# Altium PCB graviton.PcbDoc (part 9 of 15) (continued)
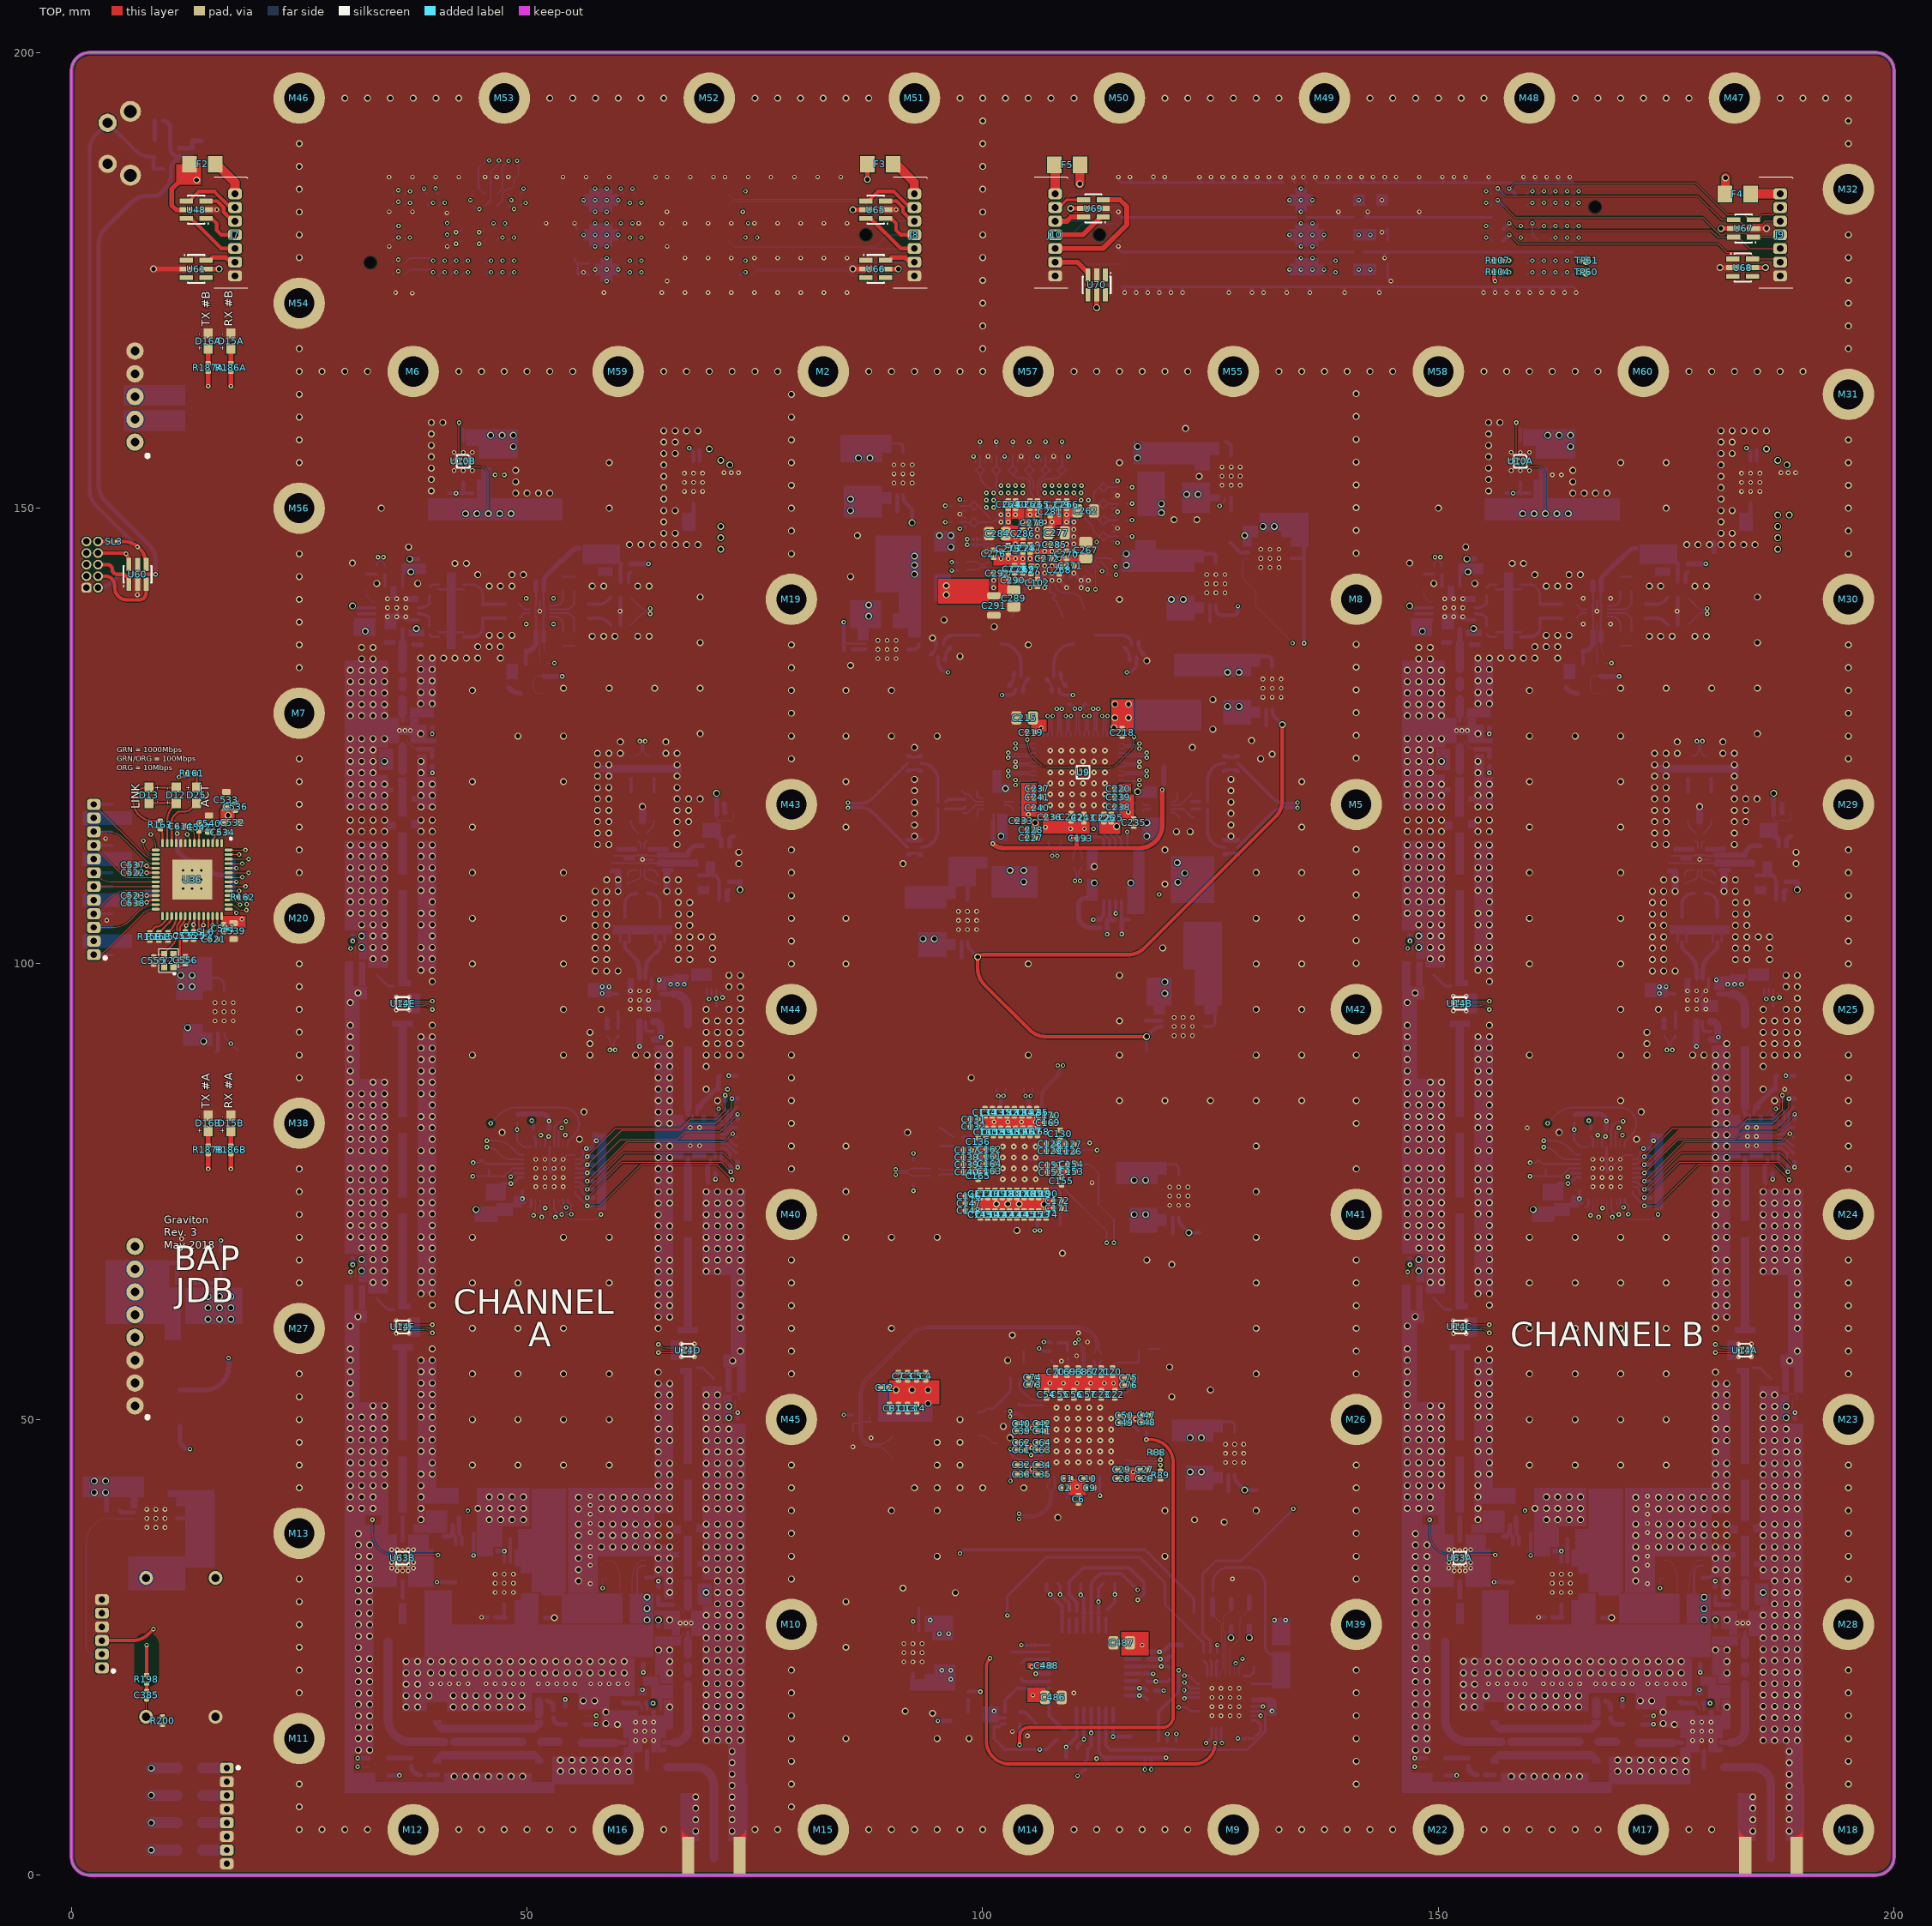
[diagram p0: TOP view]
## Nets (pads, with @x,y where several pads share a name; then routed paths per layer and width w, separated by ;. In a path a pad name is that pad's centre, name@x,y a point inside that pad or via, vN(x,y) a via of type N, cw(c..) or ccw(c..) an arc to the next point about the centre after c; other vN are vias at no path point) (continued)
57.485,107.971 58.735,107.971 66.595,107.971 173.485,107.971 174.735,107.971 182.595,107.971 30.6,108.05 31.85,108.05 33.1,108.05 34.35,108.05 38.35,108.05 39.6,108.05 146.6,108.05 147.85,108.05 149.1,108.05 150.35,108.05 154.35,108.05 155.6,108.05 120,108.75 58.735,109.221 66.595,109.221 174.735,109.221 182.595,109.221 30.6,109.3 31.85,109.3 33.1,109.3 34.35,109.3 38.35,109.3 39.6,109.3 146.6,109.3 147.85,109.3 149.1,109.3 150.35,109.3 154.35,109.3 155.6,109.3 25,110 44,110 54,110 79,110 130,110 135,110 160,110 170,110 195,110 140.976,110.062 30.6,110.55 31.85,110.55 33.1,110.55 34.35,110.55 38.35,110.55 39.6,110.55 146.6,110.55 147.85,110.55 149.1,110.55 150.35,110.55 154.35,110.55 155.6,110.55 112.25,110.675 73.25,111 91.25,111 189.25,111 30.6,111.8 31.85,111.8 33.1,111.8 34.35,111.8 38.35,111.8 39.6,111.8 146.6,111.8 147.85,111.8 149.1,111.8 150.35,111.8 154.35,111.8 155.6,111.8 73.25,112.25 189.25,112.25 25,112.5 79,112.5 120,112.5 195,112.5 140.976,112.562 30.6,113.05 31.85,113.05 33.1,113.05 34.35,113.05 38.35,113.05 39.6,113.05 146.6,113.05 147.85,113.05 149.1,113.05 150.35,113.05 154.35,113.05 155.6,113.05 57.725,113.1 58.975,113.1 66.475,113.1 173.725,113.1 174.975,113.1 182.475,113.1 92.5,114 127.25,114 57.725,114.35 58.975,114.35 66.475,114.35 173.725,114.35 174.975,114.35 182.475,114.35 121.25,114.5 122.75,114.5 30.6,114.528 31.85,114.528 33.1,114.528 34.35,114.528 38.35,114.528 39.6,114.528 146.6,114.528 147.85,114.528 149.1,114.528 150.35,114.528 154.35,114.528 155.6,114.528 25,115 44,115 85,115 135,115 160,115 170,115 92.5,115.25 127.25,115.25 57.725,115.6 58.975,115.6 66.475,115.6 67.725,115.6 173.725,115.6 174.975,115.6 182.475,115.6 183.725,115.6 30.6,115.778 31.85,115.778 33.1,115.778 34.35,115.778 38.35,115.778 39.6,115.778 146.6,115.778 147.85,115.778 149.1,115.778 150.35,115.778 154.35,115.778 155.6,115.778 92.5,116.5 127.25,116.5 57.725,116.85 58.975,116.85 66.475,116.85 67.725,116.85 173.725,116.85 174.975,116.85 182.475,116.85 183.725,116.85 30.6,117.222 31.85,117.222 33.1,117.222 34.35,117.222 38.35,117.222 39.6,117.222 146.6,117.222 147.85,117.222 149.1,117.222 150.35,117.222 154.35,117.222 155.6,117.222 25,117.5 92.5,117.75 127.25,117.75 57.725,118.1 58.975,118.1 66.475,118.1 67.725,118.1 68.975,118.1 173.725,118.1 174.975,118.1 182.475,118.1 183.725,118.1 184.975,118.1 30.6,118.472 31.85,118.472 33.1,118.472 34.35,118.472 38.35,118.472 39.6,118.472 146.6,118.472 147.85,118.472 149.1,118.472 150.35,118.472 154.35,118.472 155.6,118.472 92.5,119 127.25,119 57.725,119.35 58.975,119.35 66.475,119.35 173.725,119.35 174.975,119.35 182.475,119.35 30.6,119.722 31.85,119.722 33.1,119.722 34.35,119.722 38.35,119.722 39.6,119.722 146.6,119.722 147.85,119.722 149.1,119.722 150.35,119.722 154.35,119.722 155.6,119.722 25,120 44,120 54,120 85,120 135,120 160,120 170,120 92.5,120.25 127.25,120.25 57.725,120.6 58.975,120.6 66.475,120.6 173.725,120.6 174.975,120.6 182.475,120.6 30.6,120.972 31.85,120.972 33.1,120.972 38.35,120.972 146.6,120.972 147.85,120.972 149.1,120.972 154.35,120.972 57.725,121.85 58.975,121.85 66.475,121.85 173.725,121.85 174.975,121.85 182.475,121.85 30.6,122.222 31.85,122.222 33.1,122.222 38.35,122.222 146.6,122.222 147.85,122.222 149.1,122.222 154.35,122.222 25,122.5 79,122.5 130.5,122.5 195,122.5 140.976,122.562 131.75,123 57.725,123.1 58.975,123.1 60.225,123.1 65.225,123.1 66.475,123.1 173.725,123.1 174.975,123.1 176.225,123.1 181.225,123.1 182.475,123.1 30.6,123.472 31.85,123.472 33.1,123.472 146.6,123.472 147.85,123.472 149.1,123.472 92.5,123.75 123,123.75 60.225,124.35 65.225,124.35 176.225,124.35 181.225,124.35 129.5,124.5 30.6,124.722 31.85,124.722 33.1,124.722 34.35,124.722 146.6,124.722 147.85,124.722 149.1,124.722 150.35,124.722 49,125 54,125 79,125 85,125 90,125 95,125 160,125 165,125 170,125 195,125 140.976,125.062 38.34,125.25 69,125.25 154.34,125.25 185,125.25 125.25,125.75 30.6,127.222 31.85,127.222 33.1,127.222 34.35,127.222 146.6,127.222 147.85,127.222 149.1,127.222 150.35,127.222 79,127.5 195,127.5 140.976,127.562 30.6,128.472 31.85,128.472 33.1,128.472 34.35,128.472 146.6,128.472 147.85,128.472 149.1,128.472 150.35,128.472 38.34,128.55 39.59,128.55 154.34,128.55 155.59,128.55 125.25,129 30.6,129.722 31.85,129.722 33.1,129.722 34.35,129.722 146.6,129.722 147.85,129.722 149.1,129.722 150.35,129.722 38.34,129.8 39.59,129.8 154.34,129.8 155.59,129.8 44,130 79,130 85,130 90,130 160,130 195,130 140.976,130.062 54,130.25 59,130.25 64,130.25 69,130.25 170,130.25 175,130.25 180,130.25 185,130.25 30.6,130.972 31.85,130.972 33.1,130.972 34.35,130.972 146.6,130.972 147.85,130.972 149.1,130.972 150.35,130.972 38.34,131.05 39.59,131.05 154.34,131.05 155.59,131.05 30.6,132.222 31.85,132.222 33.1,132.222 34.35,132.222 146.6,132.222 147.85,132.222 149.1,132.222 150.35,132.222 38.34,132.3 39.59,132.3 154.34,132.3 155.59,132.3 25,132.5 79,132.5 195,132.5 140.976,132.562 85.5,132.75 118,133.25 31.85,133.472 33.1,133.472 147.85,133.472 149.1,133.472 38.34,133.55 39.59,133.55 40.84,133.55 42.09,133.55 43.34,133.55 44.59,133.55 47.09,133.55 154.34,133.55 155.59,133.55 156.84,133.55 158.09,133.55 159.34,133.55 160.59,133.55 163.09,133.55 97.5,133.75 31.85,134.722 33.1,134.722 147.85,134.722 149.1,134.722 44.59,134.8 45.84,134.8 47.09,134.8 160.59,134.8 161.84,134.8 163.09,134.8 25,135 79,135 105,135 195,135 140.976,135.062 69,135.25 185,135.25 94.5,135.75 57.15,135.95 58.4,135.95 59.65,135.95 62.15,135.95 63.4,135.95 173.15,135.95 174.4,135.95 175.65,135.95 178.15,135.95 179.4,135.95 45.84,136.05 47.09,136.05 48.34,136.05 161.84,136.05 163.09,136.05 164.34,136.05 101.25,137 25,137.5 95.75,137.75 25,140 115,140 69,140.25 185,140.25 45.84,141.45 47.09,141.45 48.34,141.45 57.15,141.45 58.4,141.45 62.15,141.45 63.4,141.45 161.84,141.45 163.09,141.45 164.34,141.45 173.15,141.45 174.4,141.45 178.15,141.45 179.4,141.45 33.5,141.75 38,141.75 149.5,141.75 154,141.75 25,142.5 85.5,142.5 44.59,142.7 48.34,142.7 49.59,142.7 160.59,142.7 164.34,142.7 165.59,142.7 42.09,143.95 43.34,143.95 158.09,143.95 159.34,143.95 30.845,143.975 146.845,143.975 25,145 79,145 195,145 140.976,145.062 37,145.75 153,145.75 61.25,146 62.5,146 63.75,146 65,146 66.25,146 67.5,146 68.75,146 177.25,146 178.5,146 179.75,146 181,146 182.25,146 183.5,146 184.75,146 86.25,147 65,147.25 66.25,147.25 181,147.25 182.25,147.25 79,147.5 195,147.5 140.976,147.562 65,148.5 181,148.5 121,148.75 123.5,148.75 65,149.75 66.25,149.75 181,149.75 182.25,149.75 34,150 59,150 79,150 150,150 175,150 195,150 140.976,150.062 65,151 181,151 48.75,151.65 50,151.65 51.25,151.65 52.5,151.65 164.75,151.65 166,151.65 167.25,151.65 168.5,151.65 39.5,151.9 155.5,151.9 65,152.25 181,152.25 79,152.5 195,152.5 140.976,152.562 48.75,152.9 164.75,152.9 39.5,153.15 155.5,153.15 65,153.5 123.75,153.5 181,153.5 48.75,154.15 164.75,154.15 39.5,154.4 155.5,154.4 65,154.75 181,154.75 25,155 59,155 79,155 115,155 170,155 175,155 195,155 140.976,155.062 39.5,155.65 155.5,155.65 65,156 66.25,156 181,156 182.25,156 39.5,156.9 155.5,156.9 65,157.25 66.25,157.25 181,157.25 182.25,157.25 25,157.5 79,157.5 195,157.5 140.976,157.562 39.5,158.15 155.5,158.15 65,158.5 66.25,158.5 67.5,158.5 68.75,158.5 181,158.5 182.25,158.5 183.5,158.5 184.75,158.5 186,158.5 122.25,158.75 39.5,159.4 40.75,159.4 155.5,159.4 156.75,159.4 25,160 79,160 140.976,160.062 25,162.5 79,162.5 140.976,162.562 25,165 27.5,165 30,165 32.5,165 42.5,165 45,165 47.5,165 50,165 52.5,165 55,165 65,165 67.5,165 70,165 72.5,165 75,165 77.5,165 87.5,165 90,165 92.5,165 95,165 97.5,165 100,165 110,165 112.5,165 115,165 117.5,165 120,165 122.5,165 132.5,165 135,165 137.5,165 140,165 142.5,165 145,165 155,165 157.5,165 160,165 162.5,165 165,165 167.5,165 177.5,165 180,165 182.5,165 185,165 187.5,165 190,165 25,167.5 100,167.5 195,167.5 100,170 195,170 100,172.5 195,172.5 100,175 195,175 25,177.5 100,177.5 195,177.5 25,180 100,180 195,180 25,182.5 100,182.5 25,185 100,185 25,187.5 100,187.5 25,190 100,190 195,190 100,192.5 195,192.5 30,195 32.5,195 35,195 37.5,195 40,195 42.5,195 52.5,195 55,195 57.5,195 60,195 62.5,195 65,195 75,195 77.5,195 80,195 82.5,195 85,195 87.5,195 97.5,195 100,195 102.5,195 105,195 107.5,195 110,195 120,195 122.5,195 125,195 127.5,195 130,195 132.5,195 142.5,195 145,195 147.5,195 150,195 152.5,195 155,195 165,195 167.5,195 170,195 172.5,195 175,195 177.5,195 187.5,195 190,195 192.5,195 195,195
  other v2: 61.9,14.788 62.9,14.788 63.9,14.788 177.9,14.788 178.9,14.788 179.9,14.788 104.9,15.3 61.9,15.788 62.9,15.788 63.9,15.788 177.9,15.788 178.9,15.788 179.9,15.788 61.9,16.788 62.9,16.788 63.9,16.788 177.9,16.788 178.9,16.788 179.9,16.788 110,20 39.5,21.005 40.5,21.005 41.5,21.005 42.5,21.005 43.5,21.005 45.5,21.005 46.5,21.005 47.5,21.005 48.5,21.005 49.5,21.005 51.25,21.005 52.25,21.005 53.25,21.005 54.25,21.005 55.25,21.005 57,21.005 58,21.005 59,21.005 60,21.005 61,21.005 155.5,21.005 156.5,21.005 157.5,21.005 158.5,21.005 159.5,21.005 161.5,21.005 162.5,21.005 163.5,21.005 164.5,21.005 165.5,21.005 167.25,21.005 168.25,21.005 169.25,21.005 170.25,21.005 171.25,21.005 173,21.005 174,21.005 175,21.005 176,21.005 177,21.005 66.81,27.65 67.41,27.65 68.01,27.65 182.81,27.65 183.41,27.65 184.01,27.65 56.945,32 172.945,32 127.4,32.5 35.745,33.4 36.345,33.4 36.945,33.4 151.745,33.4 152.345,33.4 152.945,33.4 35.145,33.7 37.545,33.7 151.145,33.7 153.545,33.7 35.745,34 36.345,34 36.945,34 56.945,34 151.745,34 152.345,34 152.945,34 172.945,34 35.145,34.3 37.545,34.3 151.145,34.3 153.545,34.3 35.545,34.8 37.145,34.8 151.545,34.8 153.145,34.8 56.945,35 172.945,35 36.345,35.6 152.345,35.6 35.155,35.7 35.745,35.7 36.945,35.7 37.545,35.7 151.155,35.7 151.745,35.7 152.945,35.7 153.545,35.7 56.945,36 172.945,36 56.945,37.6 172.945,37.6 56.945,38.6 172.945,38.6 56.945,39.6 172.945,39.6 56.945,40.6 172.945,40.6 56.945,41.6 172.945,41.6 85.75,47 87.75,48 108.625,56.4 66.95,56.898 68.35,56.898 182.95,56.898 184.35,56.898 110.3,57 66.95,58.298 68.35,58.298 182.95,58.298 184.35,58.298 111.5,58.5 151.657,59.428 153.057,59.428 35.65,59.452 37.05,59.452 110.5,59.5 35.65,60.852 37.05,60.852 151.65,60.852 153.05,60.852 112,76 67.91,80.05 68.91,80.05 183.91,80.05 184.91,80.05 183.91,81.05 184.91,81.05 159.75,82 67.91,82.05 68.91,82.05 183.91,82.05 184.91,82.05 188,86.25 151.65,94.852 153.05,94.852 35.65,94.952 37.05,94.952 61.34,95.04 62.34,95.04 63.34,95.04 177.34,95.04 178.34,95.04 179.34,95.04 61.34,96.04 63.34,96.04 177.34,96.04 179.34,96.04 35.65,96.352 37.05,96.352 151.65,96.452 153.05,96.452 61.34,97.04 62.34,97.04 177.34,97.04 178.34,97.04 12.25,108.25 13.25,108.25 14.25,108.25 12.25,109.25 13.25,109.25 14.25,109.25 12.25,110.25 13.25,110.25 14.25,110.25 35.99,125.6 36.59,125.6 37.19,125.6 151.99,125.6 152.59,125.6 153.19,125.6 165.9,137.3 168.9,137.3 34.69,138.075 35.69,138.075 36.69,138.075 150.69,138.075 151.69,138.075 152.69,138.075 60.205,138.7 176.205,138.7 34.69,139.075 36.69,139.075 150.69,139.075 152.69,139.075 34.69,140.075 35.69,140.075 36.69,140.075 150.69,140.075 151.69,140.075 152.69,140.075 165.9,140.1 168.9,140.1 162.5,153.65 163.5,153.65 71.6,153.9 72.4,153.9 73.2,153.9 187.6,153.9 188.4,153.9 189.2,153.9
  other v3: 103.25,15.75 3.875,104.775 3.75,113.75 37.4,173.6 35.578,173.65 58.438,173.65 64.788,173.65 67.328,173.65 69.868,173.65 72.408,173.65 74.948,173.65 77.488,173.65 80.028,173.65 82.568,173.65 85.108,173.65 65.372,174.92 67.328,177.46 69.868,177.46 72.408,177.46 74.948,177.46 77.488,177.46 80.028,177.46 82.568,177.46 85.108,177.46 34.892,178.73 41.242,178.73 65.372,178.73 52.088,181.27 62.248,181.27 64.788,181.27 67.328,181.27 69.868,181.27 72.408,181.27 74.948,181.27 77.488,181.27 80.028,181.27 82.568,181.27 85.108,181.27 41.2,182.4 34.892,182.54 37.432,182.54 65.353,182.534 143.81,183.81 134.1,186.3 34.857,186.335 37.432,186.35 39.972,186.35 42.512,186.35 45.395,186.35 46.665,186.35 47.935,186.35 53.942,186.35 56.482,186.35 59.022,186.35 64.102,186.35 65.372,186.35 67.912,186.35 70.452,186.35 71.722,186.35 74.262,186.35 76.757,186.335 79.342,186.35 81.882,186.35 84.422,186.35 135.207,186.334 136.482,186.334 137.757,186.334 139.032,186.334 144.107,186.334 118.731,186.359
  other v4: 91.343,23.409 92.343,23.409 93.343,23.409 91.343,24.409 92.343,24.409 93.343,24.409 91.343,25.409 92.343,25.409 93.343,25.409 46.493,31.034 47.493,31.034 48.493,31.034 162.493,31.034 163.493,31.034 164.493,31.034 46.493,32.034 47.493,32.034 48.493,32.034 162.493,32.034 163.493,32.034 164.493,32.034 46.493,33.034 47.493,33.034 48.493,33.034 162.493,33.034 163.493,33.034 164.493,33.034 8.266,38.143 9.266,38.143 10.266,38.143 8.266,39.143 9.266,39.143 10.266,39.143 8.266,40.143 9.266,40.143 10.266,40.143 126.643,45.281 127.643,45.281 128.643,45.281 126.643,46.281 127.643,46.281 128.643,46.281 126.643,47.281 127.643,47.281 128.643,47.281 120.507,73.516 121.507,73.516 122.507,73.516 120.507,74.516 121.507,74.516 122.507,74.516 120.507,75.516 121.507,75.516 122.507,75.516 121,92.125 122,92.125 123,92.125 121,93.125 122,93.125 123,93.125 15.75,93.75 16.75,93.75 17.75,93.75 121,94.125 122,94.125 123,94.125 15.75,94.75 16.75,94.75 17.75,94.75 15.75,95.75 16.75,95.75 17.75,95.75 97.332,103.766 98.332,103.766 99.332,103.766 97.332,104.766 98.332,104.766 99.332,104.766 97.332,105.766 98.332,105.766 99.332,105.766 130.75,129.25 131.75,129.25 132.75,129.25 130.75,130.25 131.75,130.25 132.75,130.25 130.75,131.25 131.75,131.25 132.75,131.25 88.5,133.5 89.5,133.5 90.5,133.5 88.5,134.5 89.5,134.5 90.5,134.5 88.5,135.5 89.5,135.5 90.5,135.5 124.582,140.716 125.582,140.716 126.582,140.716 124.582,141.716 125.582,141.716 126.582,141.716 124.582,142.716 125.582,142.716 126.582,142.716 130.516,143.493 131.516,143.493 132.516,143.493 130.516,144.493 131.516,144.493 132.516,144.493 130.516,145.493 131.516,145.493 132.516,145.493 67.268,151.834 68.268,151.834 69.268,151.834 183.268,151.834 184.268,151.834 185.268,151.834 126.257,152.516 127.257,152.516 128.257,152.516 90.257,152.766 91.257,152.766 92.257,152.766 67.268,152.834 68.268,152.834 69.268,152.834 183.268,152.834 184.268,152.834 185.268,152.834 126.257,153.516 127.257,153.516 128.257,153.516 90.257,153.766 91.257,153.766 92.257,153.766 67.268,153.834 68.268,153.834 69.268,153.834 183.268,153.834 184.268,153.834 185.268,153.834 41.993,154.134 42.993,154.134 43.993,154.134 157.993,154.134 158.993,154.134 159.993,154.134 126.257,154.516 127.257,154.516 128.257,154.516 90.257,154.766 91.257,154.766 92.257,154.766 41.993,155.134 43.993,155.134 157.993,155.134 159.993,155.134 41.993,156.134 42.993,156.134 43.993,156.134 157.993,156.134 158.993,156.134 159.993,156.134
  other v5: 108.1,45.3 109.3,45.3 110.5,45.3 111.7,45.3 112.9,45.3 114.1,45.3 108.1,46.5 109.3,46.5 110.5,46.5 111.7,46.5 112.9,46.5 114.1,46.5 108.1,47.7 109.3,47.7 110.5,47.7 111.7,47.7 112.9,47.7 114.1,47.7 108.1,48.9 109.3,48.9 110.5,48.9 111.7,48.9 112.9,48.9 114.1,48.9 108.1,50.1 109.3,50.1 110.5,50.1 111.7,50.1 112.9,50.1 114.1,50.1 108.1,51.3 109.3,51.3 110.5,51.3 111.7,51.3 112.9,51.3 102.2,76.346 103.4,76.346 104.6,76.346 105.8,76.346 102.2,77.546 103.4,77.546 104.6,77.546 105.8,77.546 102.2,78.746 103.4,78.746 104.6,78.746 105.8,78.746 102.2,79.946 103.4,79.946 104.6,79.946 105.8,79.946 107.4,117.4 108.6,117.4 109.8,117.4 111,117.4 112.2,117.4 113.4,117.4 107.4,118.6 108.6,118.6 109.8,118.6 111,118.6 112.2,118.6 113.4,118.6 107.4,119.8 108.6,119.8 109.8,119.8 111,119.8 112.2,119.8 113.4,119.8 107.4,121 108.6,121 109.8,121 112.2,121 113.4,121 107.4,122.2 108.6,122.2 109.8,122.2 111,122.2 112.2,122.2 113.4,122.2 107.4,123.4 108.6,123.4 109.8,123.4 111,123.4 112.2,123.4 113.4,123.4
  other v6: 125.14,17.5 126.14,17.5 127.14,17.5 128.14,17.5 125.14,18.5 126.14,18.5 127.14,18.5 128.14,18.5 125.14,19.5 126.14,19.5 127.14,19.5 128.14,19.5 125.14,20.5 126.14,20.5 127.14,20.5 128.14,20.5 50.96,75.55 51.96,75.55 52.96,75.55 53.96,75.55 166.96,75.55 167.96,75.55 168.96,75.55 169.96,75.55 50.96,76.55 51.96,76.55 52.96,76.55 53.96,76.55 166.96,76.55 167.96,76.55 168.96,76.55 169.96,76.55 50.96,77.55 51.96,77.55 53.96,77.55 166.96,77.55 167.96,77.55 169.96,77.55 50.96,78.55 51.96,78.55 52.96,78.55 166.96,78.55 167.96,78.55 168.96,78.55
I_PAA: U3A.5 U54A.29 | length 48.7
  S1 w0.1: v2(170.3,73.275) 170.225,73.275 170.2,73.25 cw(c170.2,71.695) 171.3,72.794 171.369,72.725 cw(c170.82,72.176) 171.597,72.176 cw(c170.924,72.176) 171.4,71.7 ccw(c172.849,70.251) 170.8,70.251 170.8,32.2 ccw(c171.5,32.2) 171.5,31.5 v2(174.3,31.5)
  BOT w0.1: v2(174.3,31.5) 174.3,32.5 174.425,32.625 174.7,32.625 cw(c174.725,32.625) U3A.5@174.725,32.65
  BOT w0.2: U54A.29@169.96,74.19 169.96,73.69 170.3,73.35 v2(170.3,73.275)
I_PAB: U3B.5 U54B.29 | length 48.7
  S1 w0.1: v2(54.3,73.275) 54.225,73.275 54.2,73.25 cw(c54.2,71.695) 55.3,72.794 55.369,72.725 cw(c54.82,72.176) 55.597,72.176 cw(c54.924,72.176) 55.4,71.7 ccw(c56.849,70.251) 54.8,70.251 54.8,32.2 ccw(c55.5,32.2) 55.5,31.5 v2(58.3,31.5)
  BOT w0.1: v2(58.3,31.5) 58.3,32.5 58.425,32.625 58.7,32.625 cw(c58.725,32.625) U3B.5@58.725,32.65
  BOT w0.2: U54B.29@53.96,74.19 53.96,73.69 54.3,73.35 v2(54.3,73.275)
IN-BA_N: FL1A.3 TP17A.C | length 64
  S2 w0.089: v3(134.55,117.686) ccw(c134.995,118.13) 134.995,117.502 135.502,117.502 ccw(c135.502,118.25) 136.25,118.25 136.25,123.835 cw(c138.993,123.835) 138.993,126.578 177.888,126.578 cw(c177.888,125.7) 178.767,125.7 178.767,125.12 ccw(c179.395,125.12) v2@178.951,124.675
  BOT w0.159: v2@178.789,124.438 v2@178.789,124.263 ; v2@178.951,124.425 ccw(c178.951,124.263) v2@178.789,124.263 ; FL1A.3@179.456,122.82 cw(c179.456,123.487) 178.789,123.487 v2@178.789,124.263
  BOT w0.356: TP17A.C@128,122 131.761,118.239 ccw(c133.25,119.728) 133.25,117.622 134.397,117.622 ccw(c134.397,117.839) v3(134.55,117.686)
  other v2: 178.963,124.425
IN-BA_P: FL2A.3 TP27A.C | length 63.8
  S2 w0.089: 136.458,118.25 136.458,123.835 cw(c138.998,123.835) 138.998,126.375 177.888,126.375 cw(c177.888,125.7) 178.563,125.7 178.563,125.12 cw(c177.935,125.12) v2@178.379,124.675
  S2 w0.098: v3(134.55,117.114) cw(c134.983,116.681) 134.983,117.294 135.502,117.294 ccw(c135.502,118.25) 136.458,118.25
  BOT w0.159: FL2A.3@177.874,122.82 ccw(c177.874,123.487) 178.541,123.487 v2@178.541,124.263 ; v2@178.541,124.438 v2@178.541,124.425 ; v2@178.541,124.263 ccw(c178.379,124.263) 178.379,124.425 v2@178.541,124.425 ; v2@178.541,124.263 v2@178.541,124.425
  BOT w0.356: TP27A.C@128,112.8 131.761,116.561 cw(c133.25,115.072) 133.25,117.178 134.397,117.178 cw(c134.397,116.961) v3(134.55,117.114)
  other v2: 178.367,124.425
IN-BB_N: FL1B.3 TP17B.C | length 45.7
  S2 w0.089: v2(62.963,124.425) cw(c63.439,124.9) 62.767,124.9 62.767,126.06 cw(c65.307,126.06) 65.307,128.6 79.46,128.6 cw(c79.46,126.06) 82,126.06 82,118.897 ccw(c83.6,118.897) 83.6,117.297 84.809,117.297 cw(c84.809,116.674) v3@85.25,117.114
  BOT w0.159: v2@62.789,124.438 v2@62.789,124.263 ; v2@62.951,124.425 ccw(c62.951,124.263) v2@62.789,124.263 ; FL1B.3@63.456,122.82 cw(c63.456,123.487) 62.789,123.487 v2@62.789,124.263
  BOT w0.356: v3(85.2,117.114) cw(c85.353,116.961) 85.353,117.178 86.5,117.178 cw(c86.5,115.072) 87.989,116.561 TP17B.C@91.75,112.8
IN-BB_P: FL2B.3 TP27B.C | length 46.2
  S2 w0.089: v2(62.367,124.425) ccw(c61.891,124.9) 62.563,124.9 62.563,126.06 cw(c65.307,126.06) 65.307,128.803 79.46,128.803 cw(c79.46,126.06) 82.203,126.06 82.203,118.897 ccw(c83.6,118.897) 83.6,117.5 84.802,117.5 ccw(c84.802,118.134) v3@85.25,117.686
  BOT w0.159: FL2B.3@61.874,122.82 ccw(c61.874,123.487) 62.541,123.487 v2@62.541,124.263 ; v2@62.541,124.438 v2@62.541,124.425 ; v2@62.541,124.263 ccw(c62.379,124.263) 62.379,124.425 v2@62.541,124.425 ; v2@62.541,124.263 v2@62.541,124.425
  BOT w0.356: v3(85.2,117.686) ccw(c85.353,117.839) 85.353,117.622 86.5,117.622 ccw(c86.5,119.728) 87.989,118.239 TP27B.C@91.75,122
IOUTB_28_N: R5.2 T3.3 U2.E14 | length 4.7
  BOT w0.178: T3.3@100.858,138.998 R5.2@101.348,140.212 ; R5.2@101.349,140.213 cw(c102.573,138.988) 102.573,140.72 103.07,140.72 ccw(c103.07,141.665) U2.E14@104.015,141.665
IOUTB_28_P: R2.2 T3.1 U2.F14 | length 4.7
  BOT w0.178: T3.1@103.213,138.047 R2.2@103.703,139.26 ; R2.2@103.704,139.261 104.008,139.92 ccw(c104.099,140.116) 104.189,140.312 cw(c104.28,140.508) 104.371,140.704 ccw(c104.461,140.9) 104.552,141.096 104.609,141.22 U2.F14@104.814,141.663
IOUTC_28_N: R34.2 T4.1 U2.K14 | length 4.7
  BOT w0.178: U2.K14@108,141.67 ccw(c108.945,141.67) 108.945,140.725 109.442,140.725 cw(c109.442,138.993) R34.2@110.666,140.218 T4.1@111.157,139.003
IOUTC_28_P: R33.2 T4.3 U2.J14 | length 4.7
  BOT w0.178: U2.J14@107.2,141.67 107.406,141.225 107.463,141.101 ccw(c107.554,140.905) 107.644,140.709 cw(c107.735,140.513) 107.826,140.317 ccw(c107.916,140.121) 108.007,139.925 R33.2@108.311,139.266 T4.3@108.802,138.052
LD_36: R48.2 U7.12 | length 2.6
  BOT w0.27: U7.12@107.385,75.396 108.104,75.396 108.5,75 R48.2@108.5,73.695
LED0_32: R163.1 U36.14 | length 1.6
  TOP w0.203: R163.1@9.75,114.805 cw(c9.146,114.201) 10,114.201 U36.14@10,113.25
LED1_32: D12.1 D13.2 U36.13 | length 7.7
  TOP w0.203: D13.2@8.525,117.65 9.25,117.65 D12.1@11.5,117.65 11.244,117.394 ccw(c13.04,115.598) 10.5,115.598 U36.13@10.5,113.25
LED2_32: D25.2 U36.12 | length 6.1
  TOP w0.203: U36.12@11,113.25 11,115.576 cw(c12.024,115.576) 11.3,116.3 11.559,116.559 cw(c11.9,116.217) 11.9,116.7 12.376,116.7 ccw(c12.376,117.724) 13.099,116.999 D25.2@13.75,117.65
LNA_DISA: R37A.2 R127A.1 U54A.20 | length 57.6
  S1 w0.1: v2(172.5,79.75) ccw(c172.5,79.35) 172.1,79.35 172.1,73.466 ccw(c173.466,73.466) 172.499,72.501 172.8,72.2 cw(c171.17,70.57) 172.801,72.199 cw(c171.17,70.57) 173.475,70.57 173.475,34.818 ccw(c176.015,34.818) 176.015,32.278 v2(180.4,32.278)
  BOT w0.1: R127A.1@180.4,31.595 R127A.1@180.55,31.445
  BOT w0.2: U54A.20@171.32,78.55 171.8,78.55 172.146,78.896 172.146,79.496 172.4,79.75 v2(172.5,79.75)
  BOT w0.508: v2(172.5,79.75) R37A.2@173.255,79.75
  BOT w0.51: R127A.1@180.4,31.595 v2(180.4,32.278)
LNA_DISB: R37B.2 R127C.1 U54B.20 | length 57.6
  S1 w0.1: 56.499,72.501 cw(c57.466,73.466) 56.1,73.466 56.1,79.35 cw(c56.5,79.35) v2(56.5,79.75) ; 56.5,72.5 56.8,72.2 cw(c55.17,70.57) 56.801,72.199 cw(c55.17,70.57) 57.475,70.57 57.475,34.818 ccw(c60.015,34.818) 60.015,32.278 v2(64.4,32.278)
  BOT w0.1: R127C.1@64.4,31.595 R127C.1@64.55,31.445
  BOT w0.2: U54B.20@55.32,78.55 55.8,78.55 56.146,78.896 56.146,79.496 56.4,79.75 v2(56.5,79.75)
  BOT w0.508: v2(56.5,79.75) R37B.2@57.255,79.75
  BOT w0.51: R127C.1@64.4,31.595 v2(64.4,32.278)
LO-CLK.C_34_N: C119.2 R52.1 R56.2 U1.41 | length 37.8
  S2 w0.098: v3(90.45,77.436) ccw(c90.883,77.869) 90.883,77.256 91.3,77.256 cw(c91.3,76.003) 92.186,76.889 93.388,75.687 ; 93.412,75.663 110.107,58.969 ccw(c110.54,59.402) v3(110.54,58.79)
  BOT w0.159: v3(90.45,77.436) 90.55,77.336 ccw(c90.7,77.486) 90.7,77.274 91.721,77.274 ccw(c91.721,77.318) 91.752,77.287 cw(c92.4,76.639) R52.1@92.4,77.555 R56.2@93.3,77.555 93.679,77.555 93.688,77.546 C119.2@94.27,77.546 ; v3(110.54,58.79) 110.54,58.752 ccw(c111.002,58.752) 110.675,58.425 cw(c109.35,57.1) 111.224,57.1 111.224,53.456 cw(c110.919,53.151) 111.35,53.151 U1.41@111.35,52.85
LO-CLK.C_34_P: C118.2 R51.1 R55.2 U1.40 | length 37.5
  S2 w0.098: v3(90.45,76.864) cw(c90.883,76.431) 90.883,77.044 91.3,77.044 cw(c91.3,76.003) 92.036,76.739 109.956,58.819 cw(c109.523,58.386) v3(110.136,58.386)
  BOT w0.159: v3(90.45,76.864) 90.55,76.964 cw(c90.7,76.814) 90.7,77.026 91.721,77.026 cw(c91.721,76.982) 91.752,77.013 ccw(c92.4,77.661) R51.1@92.4,76.745 R55.2@93.3,76.745 93.679,76.745 93.68,76.746 C118.2@94.27,76.746 ; v3(110.136,58.386) 110.173,58.386 cw(c110.173,57.923) 110.5,58.25 cw(c109.35,57.1) 110.976,57.1 110.976,53.456 ccw(c111.281,53.151) 110.85,53.151 U1.40@110.85,52.85
LO-CLK_T_36_N: C119.1 U7.29 | length 5.5
  BOT w0.17: C119.1@95.13,77.546 ccw(c95.492,77.908) 95.492,77.396 U7.29@100.615,77.396
LO-CLK_T_36_P: C118.1 U7.28 | length 5.5
  BOT w0.17: C118.1@95.13,76.746 cw(c95.492,76.384) 95.492,76.896 U7.28@100.615,76.896
LOS0_36: R49.2 U7.34 | length 2.8
  BOT w0.27: R49.2@97.854,79.896 U7.34@100.615,79.896
LOS1_36: R50.2 U7.35 | length 3.1
  BOT w0.27: R50.2@97.75,81 98.75,81 99.354,80.396 U7.35@100.615,80.396
MCU-CLK_2: R86.2 U38.3 | length 54.5
  TOP w0.35: v2(104.05,14.3) 104.05,15.25 cw(c105,15.25) 105,16.2 111.4,16.2
  TOP w0.356: 111.4,16.2 119.7,16.2 ccw(c119.7,17.4) 120.9,17.4 120.9,45.265 ccw(c118.36,45.265) 118.36,47.805 v2(117.945,47.805)
  BOT w0.25: v2(117.945,47.805) R86.2@117.945,48.75
  BOT w0.35: v2(104.05,14.3) U38.3@104.05,16.6
MCU_OSC: SL26.2 U38.6 | length 4.6
  BOT w0.35: U38.6@102.45,17.9 102.45,19.2 103.75,20.5 SL26.2@105.215,20.5
MDI0_32_N: D18.1 P2.3 U36.27 | length 9.7
  TOP w0.1: P2.3@2.45,104 4.598,104 ccw(c4.598,106.54) 6.394,104.744 7.406,105.756 cw(c9.202,103.96) 9.202,106.5 U36.27@9.25,106.5
  BOT w0.3: P2.3@2.45,104 D18.1@4.485,104
MDI0_32_P: D17.1 P2.1 U36.28 | length 10.7
  TOP w0.1: P2.1@2.45,101 ccw(c2.45,103.173) 3.986,101.636 7.75,105.4 cw(c9.199,103.951) 9.199,106 U36.28@9.25,106
  BOT w0.3: P2.1@2.45,101 D17.1@4.485,101
MDI1_32_N: D20.1 P2.6 U36.23 | length 8.8
  TOP w0.1: P2.6@2.45,108.5 U36.23@9.25,108.5
  BOT w0.3: P2.6@2.45,108.5 D20.1@4.485,108.5
MDI1_32_P: D19.1 P2.4 U36.24 | length 9.8
  TOP w0.1: P2.4@2.45,105.5 4.206,107.256 cw(c6.002,105.46) 6.002,108 U36.24@9.25,108
  BOT w0.3: P2.4@2.45,105.5 D19.1@4.485,105.5
MDI2_32_N: D22.1 P2.9 U36.21 | length 10.3
  TOP w0.1: P2.9@2.45,113 ccw(c2.691,113) 2.521,112.829 5.625,109.725 ccw(c6.168,110.268) 6.168,109.5 U36.21@9.25,109.5
  BOT w0.3: P2.9@2.45,113 D22.1@4.485,113
MDI2_32_P: D21.1 P2.7 U36.22 | length 9.1
  TOP w0.1: P2.7@2.45,110 2.706,109.744 ccw(c4.502,111.54) 4.502,109 U36.22@9.25,109
  BOT w0.3: P2.7@2.45,110 D21.1@4.485,110
MDI3_32_N: D24.1 P2.12 U36.17 | length 11.8
  TOP w0.1: P2.12@2.45,117.5 7.884,112.066 ccw(c9.25,113.431) U36.17@9.25,111.5
  TOP w0.254: P2.12@2.45,117.5 cw(c2.45,116.776) P2.12@2.962,117.288
  BOT w0.3: P2.12@2.45,117.5 D24.1@4.485,117.5
MDI3_32_P: D23.1 P2.10 U36.18 | length 10.1
  TOP w0.1: P2.10@2.45,114.5 3.923,114.5 cw(c3.923,111.96) 5.719,113.756 8.2,111.275 ccw(c8.864,111.939) 8.864,111 U36.18@9.25,111
  BOT w0.3: P2.10@2.45,114.5 D23.1@4.485,114.5
MISO_2: SL11.2 SL13.1 SL14.1 SL17.1 SL18.1 TP43.1 | length 20.7
  S1 w0.1: v2(120.1,12.9) 127.6,12.9 128,13.3 v3(128,15)
  BOT w0.28: v3(128,15) SL18.1@128.665,15
  BOT w0.356: SL11.2@112.75,16.215 TP43.1@112.75,13.75 ccw(c113.6,13.75) 113.6,12.9 v2(120.1,12.9)
NetC16_1: C16.1 U1.38 | length 2.1
  BOT w0.159: U1.38@109.85,52.85 109.85,54.74 C16.1@110,54.89